# Altium PCB Minion_1_SiC780A_Rev01.PcbDoc (part 1 of 6) (continued)
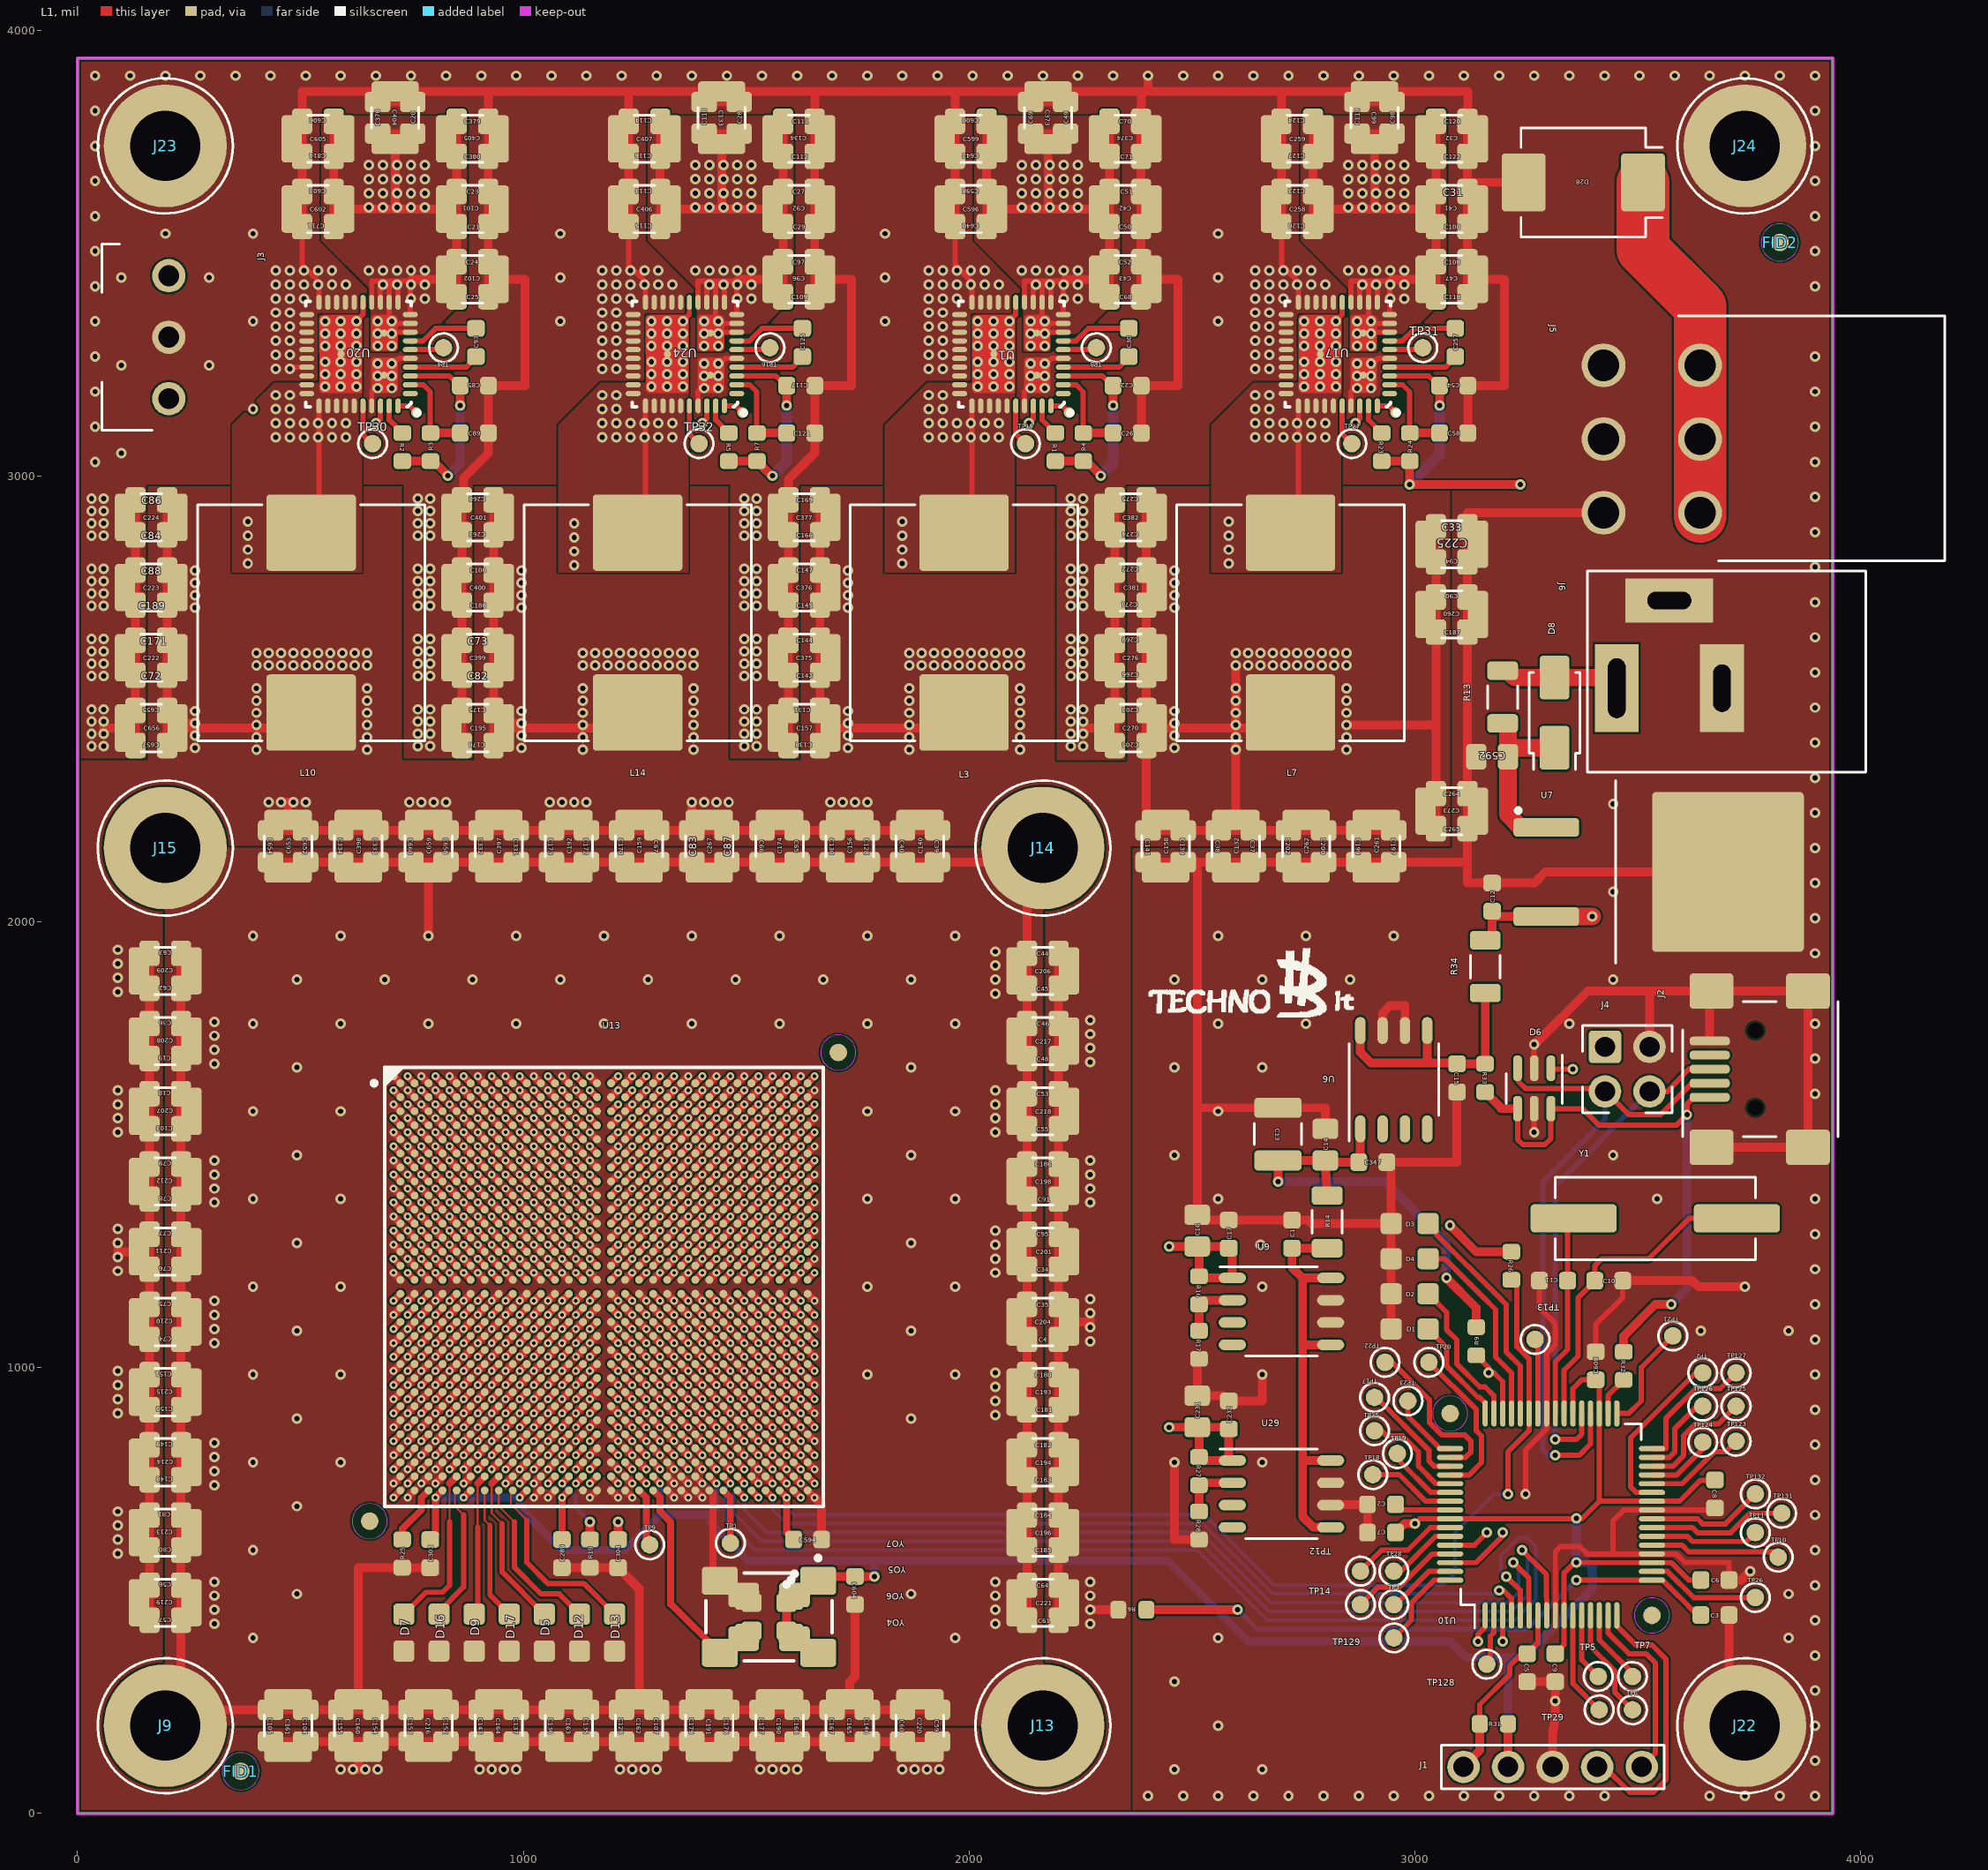
[diagram p0: L1 view]
## Design rules (kind name [scope] priority, off if disabled: settings) (continued)
PolygonConnect "Polygon Connect Style - Via from round thru-hole global defaults_65" [IsVia] p22: connectstyle=Relief reliefconductorwidth=19.68 reliefentries=4 polygonreliefangle="90 Angle" airgapwidth=10
PolygonConnect "Polygon Connect Style - L4 Round thru-hole pad from global defaults" [IsPad And OnMultiLayer And (PadShape_BottomLayer = 'Round') And (PadXSize_BottomLayer = PADYSize_BottomLayer) vs Layer = 'L4'] p23: connectstyle=Relief reliefconductorwidth=19.68 reliefentries=4 polygonreliefangle="90 Angle" airgapwidth=10
PolygonConnect "Polygon Connect Style - Via from round thru-hole global defaults_64" [IsVia] p24: connectstyle=Relief reliefconductorwidth=19.68 reliefentries=4 polygonreliefangle="90 Angle" airgapwidth=10
PolygonConnect "Polygon Connect Style - L3 Round thru-hole pad from global defaults" [IsPad And OnMultiLayer And (PadShape_MidLayer2 = 'Round') And (PadXSize_MidLayer2 = PADYSize_MidLayer2) vs Layer = 'L3'] p25: connectstyle=Relief reliefconductorwidth=19.68 reliefentries=4 polygonreliefangle="90 Angle" airgapwidth=10
PolygonConnect "Polygon Connect Style - Via from round thru-hole global defaults_63" [IsVia] p26: connectstyle=Relief reliefconductorwidth=19.68 reliefentries=4 polygonreliefangle="90 Angle" airgapwidth=10
PolygonConnect "Polygon Connect Style - L2 Round thru-hole pad from global defaults" [IsPad And OnMultiLayer And (PadShape_MidLayer1 = 'Round') And (PadXSize_MidLayer1 = PADYSize_MidLayer1) vs Layer = 'L2'] p27: connectstyle=Relief reliefconductorwidth=19.68 reliefentries=4 polygonreliefangle="90 Angle" airgapwidth=10
PolygonConnect "Polygon Connect Style - Via from round thru-hole global defaults" [IsVia] p28: connectstyle=Relief reliefconductorwidth=19.68 reliefentries=4 polygonreliefangle="90 Angle" airgapwidth=10
PolygonConnect "Polygon Connect Style - L1 Round thru-hole pad from global defaults" [IsPad And OnMultiLayer And (PadShape_TopLayer = 'Round') And (PadXSize_TopLayer = PADYSize_TopLayer) vs Layer = 'L1'] p29: connectstyle=Relief reliefconductorwidth=19.68 reliefentries=4 polygonreliefangle="90 Angle" airgapwidth=10
PolygonConnect "Polygon Connect Style - L4 Square thru-hole pad from global defaults" [IsPad And OnMultiLayer And ((PadShape_BottomLayer = 'Rectangular') Or (PadShape_BottomLayer = 'Octagonal') Or (PadShape_BottomLayer = 'Rounded Rectangle')) And (PadXSize_BottomLayer = PADYSize_BottomLayer) vs Layer = 'L4'] p30: connectstyle=Relief reliefconductorwidth=19.68 reliefentries=4 polygonreliefangle="90 Angle" airgapwidth=10
PolygonConnect "Polygon Connect Style - L3 Square thru-hole pad from global defaults" [IsPad And OnMultiLayer And ((PadShape_MidLayer2 = 'Rectangular') Or (PadShape_MidLayer2 = 'Octagonal') Or (PadShape_MidLayer2 = 'Rounded Rectangle')) And (PadXSize_MidLayer2 = PADYSize_MidLayer2) vs Layer = 'L3'] p31: connectstyle=Relief reliefconductorwidth=19.68 reliefentries=4 polygonreliefangle="90 Angle" airgapwidth=10
PolygonConnect "Polygon Connect Style - L2 Square thru-hole pad from global defaults" [IsPad And OnMultiLayer And ((PadShape_MidLayer1 = 'Rectangular') Or (PadShape_MidLayer1 = 'Octagonal') Or (PadShape_MidLayer1 = 'Rounded Rectangle')) And (PadXSize_MidLayer1 = PADYSize_MidLayer1) vs Layer = 'L2'] p32: connectstyle=Relief reliefconductorwidth=19.68 reliefentries=4 polygonreliefangle="90 Angle" airgapwidth=10
PolygonConnect "Polygon Connect Style - L1 Square thru-hole pad from global defaults" [IsPad And OnMultiLayer And ((PadShape_TopLayer = 'Rectangular') Or (PadShape_TopLayer = 'Octagonal') Or (PadShape_TopLayer = 'Rounded Rectangle')) And (PadXSize_TopLayer = PADYSize_TopLayer) vs Layer = 'L1'] p33: connectstyle=Relief reliefconductorwidth=19.68 reliefentries=4 polygonreliefangle="90 Angle" airgapwidth=10
PolygonConnect "Polygon Connect Style - L4 Rect thru-hole pad from global defaults" [IsPad And OnMultiLayer And ((PadShape_BottomLayer = 'Rectangular') Or (PadShape_BottomLayer = 'Octagonal') Or (PadShape_BottomLayer = 'Rounded Rectangle')) And (PadXSize_BottomLayer <> PADYSize_BottomLayer) vs Layer = 'L4'] p34: connectstyle=Relief reliefconductorwidth=19.68 reliefentries=4 polygonreliefangle="90 Angle" airgapwidth=10
PolygonConnect "Polygon Connect Style - L4 Square-rect thru-hole pad from global defaults" [IsPad And OnMultiLayer And (PadShape_BottomLayer = 'Rounded Rectangle') And (PadXSize_BottomLayer = PADYSize_BottomLayer) And (Pad_CornerRadius_BottomLayer = '0%') vs Layer = 'L4'] p35: connectstyle=Relief reliefconductorwidth=19.68 reliefentries=4 polygonreliefangle="90 Angle" airgapwidth=10
PolygonConnect "Polygon Connect Style - L3 Rect thru-hole pad from global defaults" [IsPad And OnMultiLayer And ((PadShape_MidLayer2 = 'Rectangular') Or (PadShape_MidLayer2 = 'Octagonal') Or (PadShape_MidLayer2 = 'Rounded Rectangle')) And (PadXSize_MidLayer2 <> PADYSize_MidLayer2) vs Layer = 'L3'] p36: connectstyle=Relief reliefconductorwidth=19.68 reliefentries=4 polygonreliefangle="90 Angle" airgapwidth=10
PolygonConnect "Polygon Connect Style - L3 Square-rect thru-hole pad from global defaults" [IsPad And OnMultiLayer And (PadShape_MidLayer2 = 'Rounded Rectangle') And (PadXSize_MidLayer2 = PADYSize_MidLayer2) And (Pad_CornerRadius_MidLayer2 = '0%') vs Layer = 'L3'] p37: connectstyle=Relief reliefconductorwidth=19.68 reliefentries=4 polygonreliefangle="90 Angle" airgapwidth=10
PolygonConnect "Polygon Connect Style - L2 Rect thru-hole pad from global defaults" [IsPad And OnMultiLayer And ((PadShape_MidLayer1 = 'Rectangular') Or (PadShape_MidLayer1 = 'Octagonal') Or (PadShape_MidLayer1 = 'Rounded Rectangle')) And (PadXSize_MidLayer1 <> PADYSize_MidLayer1) vs Layer = 'L2'] p38: connectstyle=Relief reliefconductorwidth=19.68 reliefentries=4 polygonreliefangle="90 Angle" airgapwidth=10
PolygonConnect "Polygon Connect Style - L2 Square-rect thru-hole pad from global defaults" [IsPad And OnMultiLayer And (PadShape_MidLayer1 = 'Rounded Rectangle') And (PadXSize_MidLayer1 = PADYSize_MidLayer1) And (Pad_CornerRadius_MidLayer1 = '0%') vs Layer = 'L2'] p39: connectstyle=Relief reliefconductorwidth=19.68 reliefentries=4 polygonreliefangle="90 Angle" airgapwidth=10
PolygonConnect "Polygon Connect Style - L1 Rect thru-hole pad from global defaults" [IsPad And OnMultiLayer And ((PadShape_TopLayer = 'Rectangular') Or (PadShape_TopLayer = 'Octagonal') Or (PadShape_TopLayer = 'Rounded Rectangle')) And (PadXSize_TopLayer <> PADYSize_TopLayer) vs Layer = 'L1'] p40: connectstyle=Relief reliefconductorwidth=19.68 reliefentries=4 polygonreliefangle="90 Angle" airgapwidth=10
PolygonConnect "Polygon Connect Style - L1 Square-rect thru-hole pad from global defaults" [IsPad And OnMultiLayer And (PadShape_TopLayer = 'Rounded Rectangle') And (PadXSize_TopLayer = PADYSize_TopLayer) And (Pad_CornerRadius_TopLayer = '0%') vs Layer = 'L1'] p41: connectstyle=Relief reliefconductorwidth=19.68 reliefentries=4 polygonreliefangle="90 Angle" airgapwidth=10
PolygonConnect "Polygon Connect Style - L4 Oval thru-hole pad from global defaults" [IsPad And OnMultiLayer And (PadShape_BottomLayer = 'Round') And (PadXSize_BottomLayer <> PADYSize_BottomLayer) vs Layer = 'L4'] p42: connectstyle=Relief reliefconductorwidth=19.68 reliefentries=4 polygonreliefangle="90 Angle" airgapwidth=10
PolygonConnect "Polygon Connect Style - L4 Round-oval thru-hole pad from global defaults" [IsPad And OnMultiLayer And (PadShape_BottomLayer = 'Rounded Rectangle') And (PadXSize_BottomLayer = PADYSize_BottomLayer) And (Pad_CornerRadius_BottomLayer = '100%') vs Layer = 'L4'] p43: connectstyle=Relief reliefconductorwidth=19.68 reliefentries=4 polygonreliefangle="90 Angle" airgapwidth=10
PolygonConnect "Polygon Connect Style - L3 Oval thru-hole pad from global defaults" [IsPad And OnMultiLayer And (PadShape_MidLayer2 = 'Round') And (PadXSize_MidLayer2 <> PADYSize_MidLayer2) vs Layer = 'L3'] p44: connectstyle=Relief reliefconductorwidth=19.68 reliefentries=4 polygonreliefangle="90 Angle" airgapwidth=10
PolygonConnect "Polygon Connect Style - L3 Round-oval thru-hole pad from global defaults" [IsPad And OnMultiLayer And (PadShape_MidLayer2 = 'Rounded Rectangle') And (PadXSize_MidLayer2 = PADYSize_MidLayer2) And (Pad_CornerRadius_MidLayer2 = '100%') vs Layer = 'L3'] p45: connectstyle=Relief reliefconductorwidth=19.68 reliefentries=4 polygonreliefangle="90 Angle" airgapwidth=10
PolygonConnect "Polygon Connect Style - L2 Oval thru-hole pad from global defaults" [IsPad And OnMultiLayer And (PadShape_MidLayer1 = 'Round') And (PadXSize_MidLayer1 <> PADYSize_MidLayer1) vs Layer = 'L2'] p46: connectstyle=Relief reliefconductorwidth=19.68 reliefentries=4 polygonreliefangle="90 Angle" airgapwidth=10
PolygonConnect "Polygon Connect Style - L2 Round-oval thru-hole pad from global defaults" [IsPad And OnMultiLayer And (PadShape_MidLayer1 = 'Rounded Rectangle') And (PadXSize_MidLayer1 = PADYSize_MidLayer1) And (Pad_CornerRadius_MidLayer1 = '100%') vs Layer = 'L2'] p47: connectstyle=Relief reliefconductorwidth=19.68 reliefentries=4 polygonreliefangle="90 Angle" airgapwidth=10
PolygonConnect "Polygon Connect Style - L1 Oval thru-hole pad from global defaults" [IsPad And OnMultiLayer And (PadShape_TopLayer = 'Round') And (PadXSize_TopLayer <> PADYSize_TopLayer) vs Layer = 'L1'] p48: connectstyle=Relief reliefconductorwidth=19.68 reliefentries=4 polygonreliefangle="90 Angle" airgapwidth=10
PolygonConnect "Polygon Connect Style - L1 Round-oval thru-hole pad from global defaults" [IsPad And OnMultiLayer And (PadShape_TopLayer = 'Rounded Rectangle') And (PadXSize_TopLayer = PADYSize_TopLayer) And (Pad_CornerRadius_TopLayer = '100%') vs Layer = 'L1'] p49: connectstyle=Relief reliefconductorwidth=19.68 reliefentries=4 polygonreliefangle="90 Angle" airgapwidth=10
PolygonConnect [All] p50: connectstyle=Relief reliefconductorwidth=10 reliefentries=4 polygonreliefangle="90 Angle" airgapwidth=10
RoomDefinition VDD_GND [InComponentClass('VDD_GND')] p1: confinementstyle=ConfineIn formatcopy=TRUE lockcomponents=FALSE outline -27240.16,-29844.49 -25240.16,-29844.49 -25240.16,-28844.49 -27240.16,-28844.49
RoomDefinition U_CPU_Logic [InComponentClass('U_CPU_Logic')] p2: confinementstyle=ConfineIn formatcopy=TRUE lockcomponents=FALSE outline -27240.16,-29844.49 -25240.16,-29844.49 -25240.16,-28844.49 -27240.16,-28844.49
RoomDefinition SMPS [InComponentClass('SMPS')] p3: confinementstyle=ConfineIn formatcopy=TRUE lockcomponents=FALSE outline -27240.16,-29844.49 -25240.16,-29844.49 -25240.16,-28844.49 -27240.16,-28844.49
RoomDefinition MCU [InComponentClass('MCU')] p4: confinementstyle=ConfineIn formatcopy=TRUE lockcomponents=FALSE outline -27240.16,-29844.49 -25240.16,-29844.49 -25240.16,-28844.49 -27240.16,-28844.49
RoutingLayers "'Default' PADS rule_3" [All] p1: top layer_v5=TRUE mid layer 1_v5=TRUE mid layer 2_v5=TRUE bottom layer_v5=TRUE
RoutingPriority "'Default' PADS rule_2" [All] p1: routingpriority=3
RoutingTopology "'Default' PADS rule" [All] p1: topology=Shortest
RoutingVias "'Default' PADS rule_4" [All] p1: holewidth=11.81 width=23.62 viastyle="Through Hole" minholewidth=11.81 minwidth=23.62 maxholewidth=11.81 maxwidth=23.62
SMDToCorner "'All on Layer' PADS rule_50" [OnLayer('L2') vs OnLayer('L2')] p1: distance=39370
SMDToCorner "'All on Layer' PADS rule_35" [OnLayer('L3') vs OnLayer('L3')] p2: distance=39370
SMDToCorner "'Default' PADS rule_17" [All] p3: distance=39370
SMDToPlane "'All on Layer' PADS rule_51" [OnLayer('L2') vs OnLayer('L2')] p1: distance=39370
SMDToPlane "'All on Layer' PADS rule_36" [OnLayer('L3') vs OnLayer('L3')] p2: distance=39370
SMDToPlane "'Default' PADS rule_18" [All] p3: distance=39370
SolderMaskExpansion [All] p1: expansion=4
StubLength "'Default' PADS rule_6" [All] p1: limit=1000
UnpouredPolygon [All] p1: allowunpoured=FALSE
Width "'All on Layer' PADS rule_48" [OnLayer('L2') vs OnLayer('L2')] p1: maxlimit=118.11 minlimit=9.84 preferedwidth=11.81
Width "'All on Layer' PADS rule" [OnLayer('L3') vs OnLayer('L3')] p2: maxlimit=118.11 minlimit=9.84 preferedwidth=11.81
Width "'Default' PADS rule_14" [All] p3: maxlimit=118.11 minlimit=4.33 preferedwidth=19.68
23 further rules are at their usual default settings.

## Classes and differential pairs
component class MCU: C1 C2 C3 C5 C6 C7 C8 C9 C10 C11 C12 C13 C14 C15 C16 C17 C231 C232 C347 C592 C608 D1 D2 D3 D4 D6 D8 D28 FID1 FID2 J1 J2 J3 J4 J5 J6 J9 J13 J14 J15 J22 J23 J24 R6 R9 R13 R14 R16 R17 R26 R27 R28 R31 R32 R33 R34 TP2 TP3 TP5 TP6 TP7 TP10 TP11 TP12 TP13 TP14 TP17 TP18 TP19 TP20 TP21 TP22 TP23 TP25 TP26 TP28 TP29 TP123 TP124 TP125 TP126 TP127 TP128 TP129 TP131 TP132 U6 U7 U9 U10 U29 Y1
component class SMPS: C20 C21 C22 C23 C24 C25 C26 C27 C28 C29 C30 C31 C32 C33 C37 C38 C39 C40 C41 C42 C43 C47 C49 C50 C51 C52 C54 C58 C65 C66 C67 C68 C69 C70 C71 C85 C89 C92 C93 C96 C97 C98 C99 C100 C101 C102 C108 C109 C110 C111 C112 C113 C114 C115 C116 C117 C118 C119 C120 C121 C122 C123 C124 C125 C126 C127 C128 C130 C131 C132 C133 C134 C138 C139 C140 C141 C170 C172 C173 C174 C175 C176 C187 C197 C199 C200 C202 C203 C205 C257 C258 C259 C260 C261 C262 C263 C264 C265 C266 C267 C268 C269 C270 C271 C272 C273 C274 C275 C276 C331 C332 C333 C334 C373 C374 C375 C376 C377 C378 C379 C380 C381 C382 C397 C398 C399 C400 C401 C404 C405 C406 C407 C596 C598 C599 C600 C602 C603 C605 C606 C640 C642 C652 C653 C654 C655 C656 C657 C658 C659 C660 C711 C814 L3 L7 L10 L14 R1 R2 R3 R4 R5 R7 R23 R24 TP4 TP8 TP15 TP16 TP27 TP30 TP31 TP32 U1 U17 U20 U24
component class U_CPU_Logic: C289 C303 C304 C594 C604 D5 D7 D9 D12 D13 D16 D17 R19 R25 TP1 TP9 U13 YO4 YO5 YO6 YO7
component class VDD_GND: C4 C18 C19 C34 C35 C36 C44 C45 C46 C48 C53 C55 C56 C57 C59 C60 C61 C62 C63 C64 C72 C73 C74 C75 C76 C77 C78 C79 C80 C81 C82 C83 C84 C86 C87 C88 C90 C91 C94 C95 C103 C104 C105 C106 C107 C129 C135 C136 C137 C142 C143 C144 C145 C146 C147 C148 C149 C150 C151 C152 C153 C154 C155 C156 C157 C158 C159 C160 C161 C162 C163 C164 C165 C166 C167 C168 C169 C171 C177 C178 C179 C180 C181 C182 C183 C184 C185 C186 C188 C189 C190 C191 C192 C193 C194 C195 C196 C198 C201 C204 C206 C207 C208 C209 C210 C211 C212 C213 C214 C215 C216 C217 C218 C219 C220 C221 C222 C223 C224 C225

## Components (designator, comment, footprint, x,y, rotation, side; value= is the part's Value field where it differs from the comment)
C1 "10uF" SMD_0603_CAPC1608X95N 2724.41,1299.21 r90 top
C2 "10uF" SMD_0603_CAPC1608X95N 2925.2,692.91 r180 top
C3 "1nF" SMD_0603_CAPC1608X95N 3673.23,444.88 r0 top
C4 "22uF" SMD_0805_CAPC2012X145N 2165.35,1062.99 r0 top
C5 "100nF" SMD_0603_CAPC1608X95N 3251.97,326.77 r270 top
C6 "100nF" SMD_0603_CAPC1608X95N 3673.23,523.62 r0 top
C7 "100nF" SMD_0603_CAPC1608X95N 2925.2,629.92 r180 top
C8 "100nF" SMD_0603_CAPC1608X95N 3673.23,716.54 r270 top
C9 "100nF" SMD_0603_CAPC1608X95N 3314.96,326.77 r270 top
C10 "18pF" SMD_0603_CAPC1608X95N 3435.04,1194.88 r0 top
C11 "18pF" SMD_0603_CAPC1608X95N 3311.02,1194.88 r180 top
C12 "10uF" SMD_0603_CAPC1608X95N 3173.43,2055.12 r90 top
C13 "220uF" SMD_1210_CAPC3225X279N 2692.91,1523.62 r270 top
C14 "22uF" SMD_0805_CAPC2012X145N 2799.21,1500 r90 top
C15 "10uF" SMD_0603_CAPC1608X95N 3094.49,1649.61 r270 top
C16 "22uF" SMD_0805_CAPC2012X145N 2511.81,1307.09 r90 top
C17 "100nF" SMD_0603_CAPC1608X95N 2582.68,1299.21 r90 top
C18 "22uF" SMD_0805_CAPC2012X145N 196.85,1614.17 r180 top
C19 "22uF" SMD_0805_CAPC2012X145N 196.85,1692.91 r180 top
C20 "10uF" SMD_0805_CAPC2012X145N 751.97,3803.15 r90 top
C21 "10uF" SMD_0805_CAPC2012X145N 885.83,3559.06 r0 top
C22 "10uF" SMD_0603_CAPC1608X95N 2354.78,3202.35 r180 top
C23 "10uF" SMD_0805_CAPC2012X145N 885.83,3637.8 r0 top
C24 "10uF" SMD_0805_CAPC2012X145N 885.83,3480.31 r0 top
C25 "10uF" SMD_0805_CAPC2012X145N 885.83,3401.57 r0 top
C26 "100nF" SMD_0603_CAPC1608X95N 2354.78,3096.05 r0 top
C27 "10uF" SMD_0805_CAPC2012X145N 1618.11,3637.8 r0 top
C28 "10uF" SMD_0805_CAPC2012X145N 1484.25,3803.15 r90 top
C29 "10uF" SMD_0805_CAPC2012X145N 1618.11,3559.06 r0 top
C30 "220nF" SMD_0603_CAPC1608X95N 2358.27,3299.21 r90 top
C31 "10uF" SMD_0805_CAPC2012X145N 3082.68,3637.8 r0 top
C32 "100uF" SMD_1210_CAPC3225X270N 3082.68,3755.91 r180 top
C33 "22uF" SMD_0805_CAPC2012X145N 3082.68,2885.83 r0 top
C34 "22uF" SMD_0805_CAPC2012X145N 2165.35,1220.47 r0 top
C35 "22uF" SMD_0805_CAPC2012X145N 2165.35,1141.73 r0 top
C36 "22uF" SMD_0805_CAPC2012X145N 196.85,1771.65 r180 top
C37 "22uF" SMD_0805_CAPC2012X145N 2637.79,2169.2 r270 top
C38 "22uF" SMD_0805_CAPC2012X145N 2559.05,2169.2 r270 top
C39 "22uF" SMD_0805_CAPC2012X145N 1929.13,2169.29 r270 top
C40 "22uF" SMD_0805_CAPC2012X145N 1850.39,2169.29 r270 top
C41 "100uF" SMD_1210_CAPC3225X270N 3082.68,3598.43 r180 top
C42 "100uF" SMD_1210_CAPC3225X270N 2350.39,3598.43 r180 top
C43 "100uF" SMD_1210_CAPC3225X270N 2350.39,3440.94 r180 top
C44 "22uF" SMD_0805_CAPC2012X145N 2165.35,1929.13 r0 top
C45 "22uF" SMD_0805_CAPC2012X145N 2165.35,1850.39 r0 top
C46 "22uF" SMD_0805_CAPC2012X145N 2165.35,1771.65 r0 top
C47 "100uF" SMD_1210_CAPC3225X270N 3082.68,3440.94 r180 top
C48 "22uF" SMD_0805_CAPC2012X145N 2165.35,1692.91 r0 top
C49 "10uF" SMD_0805_CAPC2012X145N 2216.54,3803.15 r90 top
C50 "10uF" SMD_0805_CAPC2012X145N 2350.39,3559.06 r0 top
C51 "10uF" SMD_0805_CAPC2012X145N 2350.39,3637.8 r0 top
C52 "10uF" SMD_0805_CAPC2012X145N 2350.39,3480.31 r0 top
C53 "22uF" SMD_0805_CAPC2012X145N 2165.35,1614.17 r0 top
C54 "10uF" SMD_0603_CAPC1608X95N 3087.07,3202.35 r180 top
C55 "22uF" SMD_0805_CAPC2012X145N 2165.35,1535.43 r0 top
C56 "22uF" SMD_0805_CAPC2012X145N 196.85,511.81 r180 top
C57 "22uF" SMD_0805_CAPC2012X145N 196.85,433.07 r180 top
C58 "100nF" SMD_0603_CAPC1608X95N 3087.07,3096.05 r0 top
C59 "22uF" SMD_0805_CAPC2012X145N 1929.13,196.85 r270 top
C60 "22uF" SMD_0805_CAPC2012X145N 1850.39,196.85 r270 top
C61 "22uF" SMD_0805_CAPC2012X145N 2165.35,433.07 r0 top
C62 "22uF" SMD_0805_CAPC2012X145N 196.85,1850.39 r180 top
C63 "22uF" SMD_0805_CAPC2012X145N 196.85,1929.13 r180 top
C64 "22uF" SMD_0805_CAPC2012X145N 2165.35,511.81 r0 top
C65 "22uF" SMD_0805_CAPC2012X145N 1614.17,2169.29 r270 top
C66 "22uF" SMD_0805_CAPC2012X145N 1535.43,2169.29 r270 top
C67 "22uF" SMD_0805_CAPC2012X145N 1299.21,2169.29 r270 top
C68 "10uF" SMD_0805_CAPC2012X145N 2350.39,3401.57 r0 top
C69 "10uF" SMD_0805_CAPC2012X145N 2137.8,3803.15 r90 top
C70 "10uF" SMD_0805_CAPC2012X145N 2350.39,3795.28 r0 top
C71 "10uF" SMD_0805_CAPC2012X145N 2350.39,3716.54 r0 top
C72 "22uF" SMD_0805_CAPC2012X145N 165.48,2552.55 r0 top
C73 "22uF" SMD_0805_CAPC2012X145N 897.76,2631.29 r0 top
C74 "22uF" SMD_0805_CAPC2012X145N 196.85,1062.99 r180 top
C75 "22uF" SMD_0805_CAPC2012X145N 196.85,1141.73 r180 top
C76 "22uF" SMD_0805_CAPC2012X145N 196.85,1220.47 r180 top
C77 "22uF" SMD_0805_CAPC2012X145N 196.85,1299.21 r180 top
C78 "22uF" SMD_0805_CAPC2012X145N 196.85,1377.95 r180 top
C79 "22uF" SMD_0805_CAPC2012X145N 196.85,1456.69 r180 top
C80 "22uF" SMD_0805_CAPC2012X145N 196.85,590.55 r180 top
C81 "22uF" SMD_0805_CAPC2012X145N 196.85,669.29 r180 top
C82 "22uF" SMD_0805_CAPC2012X145N 897.76,2552.55 r0 top
C83 "22uF" SMD_0805_CAPC2012X145N 1377.95,2169.29 r90 top
C84 "22uF" SMD_0805_CAPC2012X145N 165.48,2867.51 r0 top
C85 "10uF" SMD_0603_CAPC1608X95N 890.22,3202.35 r180 top
C86 "22uF" SMD_0805_CAPC2012X145N 165.48,2946.25 r0 top
C87 "22uF" SMD_0805_CAPC2012X145N 1456.69,2169.29 r90 top
C88 "22uF" SMD_0805_CAPC2012X145N 165.48,2788.77 r0 top
C89 "100nF" SMD_0603_CAPC1608X95N 890.22,3096.05 r0 top
C90 "22uF" SMD_0805_CAPC2012X145N 3082.68,2728.35 r180 top
C91 "22uF" SMD_0805_CAPC2012X145N 2165.35,1377.95 r0 top
C92 "100uF" SMD_1210_CAPC3225X270N 1618.11,3598.43 r180 top
C93 "220nF" SMD_0603_CAPC1608X95N 893.7,3299.21 r90 top
C94 "22uF" SMD_0805_CAPC2012X145N 3082.68,2807.09 r180 top
C95 "22uF" SMD_0805_CAPC2012X145N 2165.35,1299.21 r0 top
C96 "100uF" SMD_1210_CAPC3225X270N 1618.11,3440.94 r180 top
C97 "10uF" SMD_0805_CAPC2012X145N 1618.11,3480.31 r0 top
C98 "10uF" SMD_0805_CAPC2012X145N 2948.82,3803.15 r90 top
C99 "100uF" SMD_1210_CAPC3225X270N 2909.45,3803.15 r270 top
C100 "10uF" SMD_0805_CAPC2012X145N 3082.68,3559.06 r0 top
C101 "100uF" SMD_1210_CAPC3225X270N 885.83,3598.43 r180 top
C102 "100uF" SMD_1210_CAPC3225X270N 885.83,3440.94 r180 top
C103 "22uF" SMD_0805_CAPC2012X145N 196.85,1535.43 r180 top
C104 "22uF" SMD_0805_CAPC2012X145N 511.81,196.85 r270 top
C105 "22uF" SMD_0805_CAPC2012X145N 433.07,196.85 r270 top
C106 "22uF" SMD_0805_CAPC2012X145N 897.76,2788.77 r0 top
C107 "22uF" SMD_0805_CAPC2012X145N 1299.21,196.85 r270 top
C108 "10uF" SMD_0805_CAPC2012X145N 3082.68,3480.31 r0 top
C109 "10uF" SMD_0805_CAPC2012X145N 1618.11,3401.57 r0 top
C110 "10uF" SMD_0805_CAPC2012X145N 1405.51,3803.15 r90 top
C111 "10uF" SMD_0805_CAPC2012X145N 1618.11,3795.28 r0 top
C112 "10uF" SMD_0805_CAPC2012X145N 1618.11,3716.54 r0 top
C113 "10uF" SMD_0805_CAPC2012X145N 1271.65,3637.8 r180 top
C114 "10uF" SMD_0805_CAPC2012X145N 1271.65,3795.28 r180 top
C115 "10uF" SMD_0805_CAPC2012X145N 1271.65,3559.06 r180 top
C116 "10uF" SMD_0805_CAPC2012X145N 1271.65,3716.54 r180 top
C117 "10uF" SMD_0603_CAPC1608X95N 1622.5,3202.35 r180 top
C118 "10uF" SMD_0805_CAPC2012X145N 3082.68,3401.57 r0 top
C119 "10uF" SMD_0805_CAPC2012X145N 2870.08,3803.15 r90 top
C120 "10uF" SMD_0805_CAPC2012X145N 3082.68,3795.28 r0 top
C121 "100nF" SMD_0603_CAPC1608X95N 1622.5,3096.05 r0 top
C122 "10uF" SMD_0805_CAPC2012X145N 3082.68,3716.54 r0 top
C123 "10uF" SMD_0805_CAPC2012X145N 2736.22,3637.8 r180 top
C124 "10uF" SMD_0805_CAPC2012X145N 2736.22,3795.28 r180 top
C125 "220nF" SMD_0603_CAPC1608X95N 1625.98,3299.21 r90 top
C126 "10uF" SMD_0805_CAPC2012X145N 2736.22,3559.06 r180 top
C127 "10uF" SMD_0805_CAPC2012X145N 2736.22,3716.54 r180 top
C128 "22uF" SMD_0805_CAPC2012X145N 1771.65,2169.29 r270 top
C129 "22uF" SMD_0805_CAPC2012X145N 1220.47,196.85 r270 top
C130 "22uF" SMD_0805_CAPC2012X145N 1692.91,2169.29 r270 top
C131 "22uF" SMD_0805_CAPC2012X145N 1630.05,2473.81 r180 top
C132 "220uF" SMD_1210_CAPC3225X279N 2598.42,2169.2 r90 top
C133 "100uF" SMD_1210_CAPC3225X270N 1444.88,3803.15 r270 top
C134 "100uF" SMD_1210_CAPC3225X270N 1618.11,3755.91 r180 top
C135 "22uF" SMD_0805_CAPC2012X145N 1141.73,196.85 r270 top
C136 "22uF" SMD_0805_CAPC2012X145N 1062.99,196.85 r270 top
C137 "22uF" SMD_0805_CAPC2012X145N 984.25,196.85 r270 top
C138 "22uF" SMD_0805_CAPC2012X145N 1630.05,2395.07 r180 top
C139 "22uF" SMD_0805_CAPC2012X145N 2480.31,2169.2 r270 top
C140 "220uF" SMD_1210_CAPC3225X279N 1889.76,2169.29 r90 top
C141 "22uF" SMD_0805_CAPC2012X145N 2401.57,2169.2 r270 top
C142 "22uF" SMD_0805_CAPC2012X145N 1630.05,2552.55 r0 top
C143 "22uF" SMD_0805_CAPC2012X145N 905.51,196.85 r270 top
C144 "22uF" SMD_0805_CAPC2012X145N 1630.05,2631.29 r0 top
C145 "22uF" SMD_0805_CAPC2012X145N 1630.05,2710.03 r0 top
C146 "22uF" SMD_0805_CAPC2012X145N 1771.65,196.85 r270 top
C147 "22uF" SMD_0805_CAPC2012X145N 1630.05,2788.77 r0 top
C148 "22uF" SMD_0805_CAPC2012X145N 196.85,748.03 r180 top
C149 "22uF" SMD_0805_CAPC2012X145N 196.85,826.77 r180 top
C150 "22uF" SMD_0805_CAPC2012X145N 196.85,905.51 r180 top
C151 "22uF" SMD_0805_CAPC2012X145N 196.85,984.25 r180 top
C152 "22uF" SMD_0805_CAPC2012X145N 826.77,196.85 r270 top
C153 "22uF" SMD_0805_CAPC2012X145N 748.03,196.85 r270 top
C154 "22uF" SMD_0805_CAPC2012X145N 669.29,196.85 r270 top
C155 "22uF" SMD_0805_CAPC2012X145N 590.55,196.85 r270 top
C156 "220uF" SMD_1210_CAPC3225X279N 1732.28,2169.29 r90 top
C157 "220uF" SMD_1210_CAPC3225X279N 1630.05,2434.44 r0 top
C158 "220uF" SMD_1210_CAPC3225X279N 2440.94,2169.2 r90 top
C159 "220uF" SMD_1210_CAPC3225X279N 1259.84,2169.29 r90 top
C160 "220uF" SMD_1210_CAPC3225X279N 629.92,196.85 r270 top
C161 "220uF" SMD_1210_CAPC3225X279N 472.44,196.85 r270 top
C162 "220uF" SMD_1210_CAPC3225X279N 1259.84,196.85 r270 top
C163 "220uF" SMD_1210_CAPC3225X279N 1102.36,196.85 r270 top
C164 "220uF" SMD_1210_CAPC3225X279N 944.88,196.85 r270 top
C165 "220uF" SMD_1210_CAPC3225X279N 1732.28,196.85 r270 top
C166 "22uF" SMD_0805_CAPC2012X145N 1630.05,2867.51 r0 top
C167 "22uF" SMD_0805_CAPC2012X145N 1692.91,196.85 r270 top
C168 "22uF" SMD_0805_CAPC2012X145N 1614.17,196.85 r270 top
C169 "22uF" SMD_0805_CAPC2012X145N 1630.05,2946.25 r0 top
C170 "22uF" SMD_0805_CAPC2012X145N 1220.47,2169.29 r270 top
C171 "22uF" SMD_0805_CAPC2012X145N 165.48,2631.29 r0 top
C172 "22uF" SMD_0805_CAPC2012X145N 1141.73,2169.29 r270 top
C173 "22uF" SMD_0805_CAPC2012X145N 1062.99,2169.29 r270 top
C174 "220uF" SMD_1210_CAPC3225X279N 1574.8,2169.29 r90 top
C175 "22uF" SMD_0805_CAPC2012X145N 897.76,2473.81 r180 top
C176 "22uF" SMD_0805_CAPC2012X145N 897.76,2395.07 r180 top
C177 "22uF" SMD_0805_CAPC2012X145N 1535.43,196.85 r270 top
C178 "22uF" SMD_0805_CAPC2012X145N 1456.69,196.85 r270 top
C179 "22uF" SMD_0805_CAPC2012X145N 1377.95,196.85 r270 top
C180 "22uF" SMD_0805_CAPC2012X145N 2165.35,984.25 r0 top
C181 "22uF" SMD_0805_CAPC2012X145N 2165.35,905.51 r0 top
C182 "22uF" SMD_0805_CAPC2012X145N 2165.35,826.77 r0 top
C183 "22uF" SMD_0805_CAPC2012X145N 2165.35,748.03 r0 top
C184 "22uF" SMD_0805_CAPC2012X145N 2165.35,669.29 r0 top
C185 "22uF" SMD_0805_CAPC2012X145N 2165.35,590.55 r0 top
C186 "22uF" SMD_0805_CAPC2012X145N 2165.35,1456.69 r0 top
C187 "22uF" SMD_0805_CAPC2012X145N 3082.68,2649.61 r0 top
C188 "22uF" SMD_0805_CAPC2012X145N 897.76,2710.03 r0 top
C189 "22uF" SMD_0805_CAPC2012X145N 165.48,2710.03 r0 top
C190 "220uF" SMD_1210_CAPC3225X279N 1574.8,196.85 r270 top
C191 "220uF" SMD_1210_CAPC3225X279N 1417.32,196.85 r270 top
C192 "220uF" SMD_1210_CAPC3225X279N 1102.36,2169.29 r90 top
C193 "220uF" SMD_1210_CAPC3225X279N 2165.35,944.88 r0 top
C194 "220uF" SMD_1210_CAPC3225X279N 2165.35,787.4 r0 top
C195 "220uF" SMD_1210_CAPC3225X279N 897.76,2434.44 r0 top
C196 "220uF" SMD_1210_CAPC3225X279N 2165.35,629.92 r0 top
C197 "22uF" SMD_0805_CAPC2012X145N 2952.76,2169.29 r270 top
C198 "220uF" SMD_1210_CAPC3225X279N 2165.35,1417.32 r0 top
C199 "22uF" SMD_0805_CAPC2012X145N 2874.02,2169.29 r270 top
C200 "22uF" SMD_0805_CAPC2012X145N 2795.28,2169.29 r270 top
C201 "220uF" SMD_1210_CAPC3225X279N 2165.35,1259.84 r0 top
C202 "22uF" SMD_0805_CAPC2012X145N 2716.54,2169.29 r270 top
C203 "22uF" SMD_0805_CAPC2012X145N 2362.33,2473.81 r180 top
C204 "220uF" SMD_1210_CAPC3225X279N 2165.35,1102.36 r0 top
C205 "22uF" SMD_0805_CAPC2012X145N 2362.33,2395.07 r180 top
C206 "220uF" SMD_1210_CAPC3225X279N 2165.35,1889.76 r0 top
C207 "220uF" SMD_1210_CAPC3225X279N 196.85,1574.8 r180 top
C208 "220uF" SMD_1210_CAPC3225X279N 196.85,1732.28 r180 top
C209 "220uF" SMD_1210_CAPC3225X279N 196.85,1889.76 r180 top
C210 "220uF" SMD_1210_CAPC3225X279N 196.85,1102.36 r180 top
C211 "220uF" SMD_1210_CAPC3225X279N 196.85,1259.84 r180 top
C212 "220uF" SMD_1210_CAPC3225X279N 196.85,1417.32 r180 top
C213 "220uF" SMD_1210_CAPC3225X279N 196.85,629.92 r180 top
C214 "220uF" SMD_1210_CAPC3225X279N 196.85,787.4 r180 top
C215 "220uF" SMD_1210_CAPC3225X279N 196.85,944.88 r180 top
C216 "220uF" SMD_1210_CAPC3225X279N 787.4,196.85 r270 top
C217 "220uF" SMD_1210_CAPC3225X279N 2165.35,1732.28 r0 top
C218 "220uF" SMD_1210_CAPC3225X279N 2165.35,1574.8 r0 top
C219 "220uF" SMD_1210_CAPC3225X279N 196.85,472.44 r180 top
C220 "220uF" SMD_1210_CAPC3225X279N 1889.76,196.85 r270 top
C221 "220uF" SMD_1210_CAPC3225X279N 2165.35,472.44 r0 top
C222 "220uF" SMD_1210_CAPC3225X279N 165.48,2591.92 r0 top
C223 "220uF" SMD_1210_CAPC3225X279N 165.48,2749.4 r0 top
C224 "220uF" SMD_1210_CAPC3225X279N 165.48,2906.88 r0 top
C225 "220uF" SMD_1210_CAPC3225X279N 3082.68,2846.46 r180 top
C231 "22uF" SMD_0805_CAPC2012X145N 2511.81,901.57 r90 top
C232 "100nF" SMD_0603_CAPC1608X95N 2582.68,893.7 r90 top
C257 "220nF" SMD_0603_CAPC1608X95N 3090.55,3299.21 r90 top
C258 "100uF" SMD_1210_CAPC3225X270N 2736.22,3598.43 r0 top
C259 "100uF" SMD_1210_CAPC3225X270N 2736.22,3755.91 r0 top
C260 "220uF" SMD_1210_CAPC3225X279N 3082.68,2688.98 r180 top
C261 "220uF" SMD_1210_CAPC3225X279N 2913.39,2169.29 r90 top
C262 "220uF" SMD_1210_CAPC3225X279N 2755.91,2169.29 r90 top
C263 "22uF" SMD_0805_CAPC2012X145N 897.76,2867.51 r180 top
C264 "22uF" SMD_0805_CAPC2012X145N 3082.68,2287.4 r0 top
C265 "22uF" SMD_0805_CAPC2012X145N 3082.68,2208.66 r0 top
C266 "22uF" SMD_0805_CAPC2012X145N 2362.33,2552.55 r180 top
C267 "220uF" SMD_1210_CAPC3225X279N 1417.32,2169.29 r90 top
C268 "22uF" SMD_0805_CAPC2012X145N 897.76,2946.25 r180 top
C269 "22uF" SMD_0805_CAPC2012X145N 2362.33,2631.29 r180 top
C270 "220uF" SMD_1210_CAPC3225X279N 2362.33,2434.44 r0 top
C271 "22uF" SMD_0805_CAPC2012X145N 2362.33,2710.03 r180 top
C272 "22uF" SMD_0805_CAPC2012X145N 2362.33,2788.77 r180 top
C273 "220uF" SMD_1210_CAPC3225X279N 3082.68,2248.03 r180 top
C274 "22uF" SMD_0805_CAPC2012X145N 2362.33,2867.51 r180 top
C275 "22uF" SMD_0805_CAPC2012X145N 2362.33,2946.25 r180 top
C276 "220uF" SMD_1210_CAPC3225X279N 2362.33,2591.92 r0 top
C289 "100nF" SMD_0603_CAPC1608X95N 1086.61,582.68 r90 top
C303 "100nF" SMD_0603_CAPC1608X95N 791.34,582.68 r90 top
C304 "100nF" SMD_0603_CAPC1608X95N 1212.6,582.68 r90 top
C331 "22uF" SMD_0805_CAPC2012X145N 984.25,2169.29 r270 top
C332 "22uF" SMD_0805_CAPC2012X145N 905.51,2169.29 r270 top
C333 "22uF" SMD_0805_CAPC2012X145N 669.29,2169.29 r270 top
C334 "22uF" SMD_0805_CAPC2012X145N 590.55,2169.29 r270 top
C347 "1uF" SMD_0603_CAPC1608X95N 2905.51,1460.63 r0 top
C373 "100uF" SMD_1210_CAPC3225X270N 2177.17,3803.15 r270 top
C374 "100uF" SMD_1210_CAPC3225X270N 2350.39,3755.91 r180 top
C375 "220uF" SMD_1210_CAPC3225X279N 1630.05,2591.92 r0 top
C376 "220uF" SMD_1210_CAPC3225X279N 1630.05,2749.4 r0 top
C377 "220uF" SMD_1210_CAPC3225X279N 1630.05,2906.88 r0 top
C378 "10uF" SMD_0805_CAPC2012X145N 673.23,3803.15 r90 top
C379 "10uF" SMD_0805_CAPC2012X145N 885.83,3795.28 r0 top
C380 "10uF" SMD_0805_CAPC2012X145N 885.83,3716.54 r0 top
C381 "220uF" SMD_1210_CAPC3225X279N 2362.33,2749.4 r0 top
C382 "220uF" SMD_1210_CAPC3225X279N 2362.33,2906.88 r0 top
C397 "220uF" SMD_1210_CAPC3225X279N 944.88,2169.29 r90 top
C398 "220uF" SMD_1210_CAPC3225X279N 629.92,2169.29 r90 top
C399 "220uF" SMD_1210_CAPC3225X279N 897.76,2591.92 r0 top
C400 "220uF" SMD_1210_CAPC3225X279N 897.76,2749.4 r0 top
C401 "220uF" SMD_1210_CAPC3225X279N 897.76,2906.88 r0 top
C404 "100uF" SMD_1210_CAPC3225X270N 712.6,3803.15 r270 top
C405 "100uF" SMD_1210_CAPC3225X270N 885.83,3755.91 r180 top
C406 "100uF" SMD_1210_CAPC3225X270N 1271.65,3598.43 r0 top
C407 "100uF" SMD_1210_CAPC3225X270N 1271.65,3755.91 r0 top
C592 "10uF" SMD_0805_CAPC2012X145N 3173.23,2370.08 r180 top
C594 "100nF" SMD_0603_CAPC1608X95N 1637.8,614.17 r0 top
C596 "100uF" SMD_1210_CAPC3225X270N 2003.94,3598.43 r0 top
C598 "10uF" SMD_0805_CAPC2012X145N 2003.94,3637.8 r180 top
C599 "100uF" SMD_1210_CAPC3225X270N 2003.94,3755.91 r0 top
C600 "10uF" SMD_0805_CAPC2012X145N 2003.94,3795.28 r180 top
C602 "100uF" SMD_1210_CAPC3225X270N 539.37,3598.43 r0 top